# Altium PCB Urukul.PcbDoc (part 8 of 12) (continued)
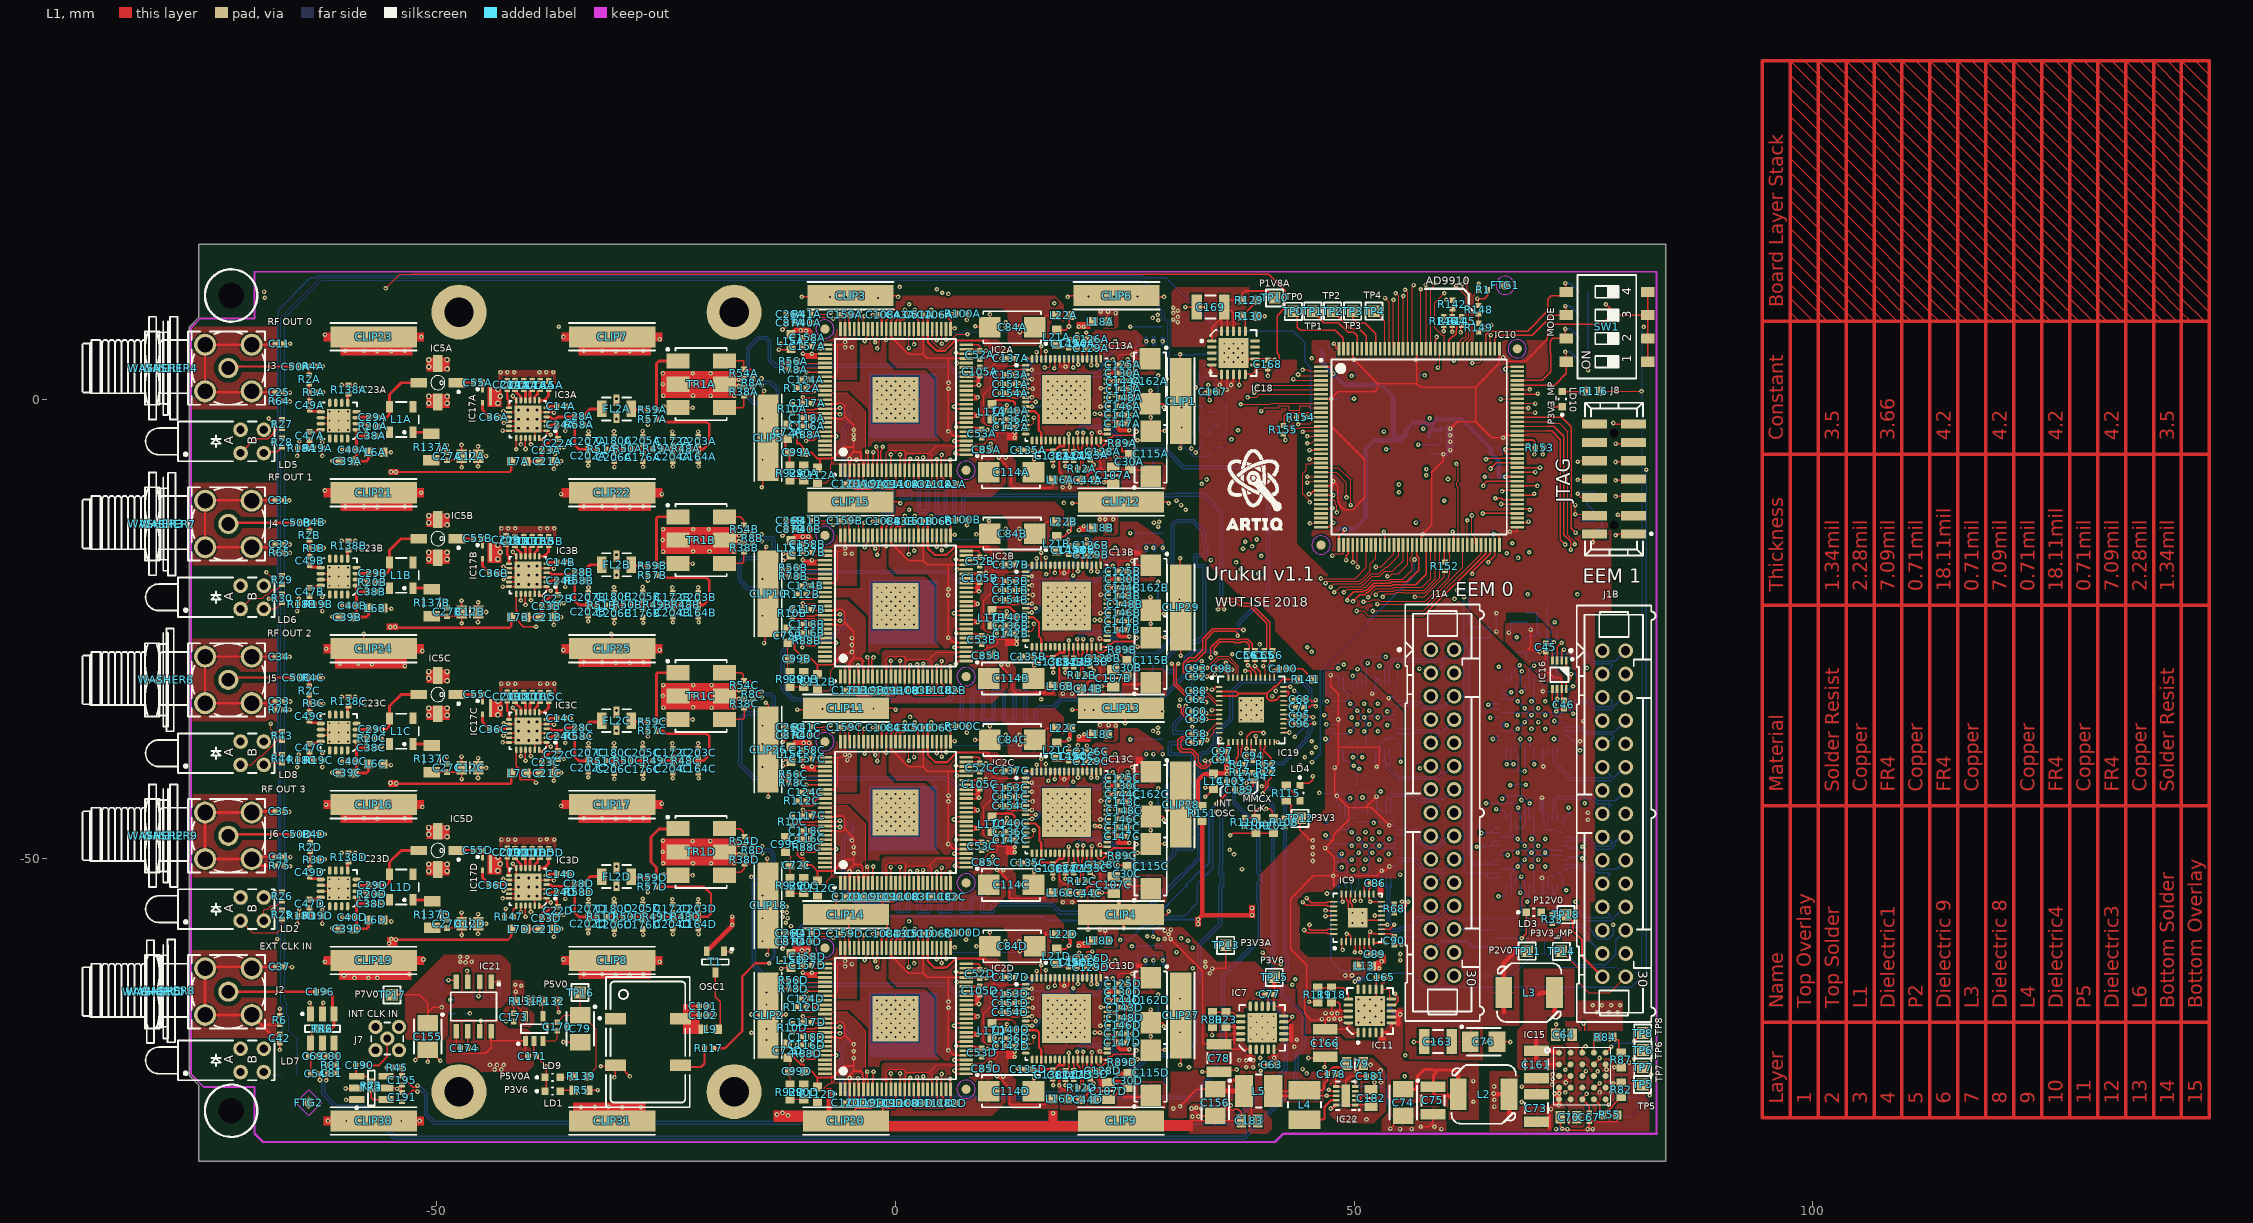
[diagram p0: L1 view]
## Nets (pads, with @x,y where several pads share a name; then routed paths per layer and width w, separated by ;. In a path a pad name is that pad's centre, name@x,y a point inside that pad or via, vN(x,y) a via of type N, cw(c..) or ccw(c..) an arc to the next point about the centre after c; other vN are vias at no path point) (continued)
  L6 w0.152: IC6B.22@67.6,-52.853 67.6,-52.19 67.638,-52.153 68.25,-52.153 68.6,-52.503 IC6B.20@68.6,-52.853 68.6,-53.534 68.618,-53.552 68.618,-54.035 68.25,-54.403 68.25,-55.804 69.596,-57.15 75.108,-57.15 76.077,-58.119 76.077,-58.268 76.665,-58.856 77.771,-58.856 78.257,-58.369 v3(78.257,-57.252) ; IC6B.39@67.6,-45.953 67.6,-46.615 67.638,-46.653 68.5,-46.653 68.5,-46.403 68.6,-46.303 IC6B.41@68.6,-45.953 68.6,-44.003 v1(68.25,-43.653) ; IC1B.22@67.6,-37.853 67.6,-38.41 67.868,-38.678 67.868,-40.284 68.124,-40.54 v1(68.6,-40.54) IC1B.20@68.6,-37.853 ; IC1B.39@67.6,-30.953 67.625,-30.977 67.625,-31.604 67.879,-31.858 v1(68.26,-31.858) 68.503,-31.615 68.6,-31.615 IC1B.41@68.6,-30.953
NetIC2A_60: IC2A.60 R100A.1 | length 12.7
  L1 w0.127: v1(1.456,5.63) 1.456,7.656 IC2A.60@1.5,7.7 ; v1(6.175,9.372) 6.825,9.372 R100A.1@6.85,9.397
  L3 w0.127: v1(1.456,5.63) 1.49,5.665 1.49,10.015 1.456,10.049 1.456,10.376 v1(1.487,10.406)
  L4 w0.127: v1(1.487,10.406) 5.141,10.406 v1(6.175,9.372)
NetIC2A_80: IC2A.80 R56A.1 | length 3
  L1 w0.127: R56A.1@-10.68,4.097 -10.583,4 IC2A.80@-7.7,4
NetIC2A_81: IC2A.81 R78A.1 | length 3.3
  L1 w0.127: R78A.1@-10.68,3.097 R78A.1@-10.68,3.247 -10.68,3.417 -10.597,3.5 IC2A.81@-7.7,3.5
NetIC2A_95: IC2A.95 R88A.2 | length 1.6
  L1 w0.203: R88A.2@-9.21,-3.803 -8.935,-3.528 -7.728,-3.528 IC2A.95@-7.7,-3.5
NetIC2B_9: IC2B.9
NetIC2B_10: IC2B.10
NetIC2B_55: IC2B.55
NetIC2B_60: IC2B.60 R100B.1 | length 12.8
  L1 w0.127: v1(1.456,-16.87) 1.456,-14.844 IC2B.60@1.5,-14.8 ; v1(6.175,-13.128) 6.825,-13.128 R100B.1@6.85,-13.103
  L3 w0.127: v1(1.456,-16.87) 1.49,-16.835 1.49,-12.485 1.456,-12.45 1.456,-12.024 v1(1.487,-11.994)
  L4 w0.127: v1(1.487,-11.994) 5.041,-11.994 v1(6.175,-13.128)
NetIC2B_80: IC2B.80 R56B.1 | length 3
  L1 w0.127: R56B.1@-10.68,-18.403 -10.583,-18.5 IC2B.80@-7.7,-18.5
NetIC2B_81: IC2B.81 R78B.1 | length 3.3
  L1 w0.127: R78B.1@-10.68,-19.403 R78B.1@-10.68,-19.253 -10.68,-19.083 -10.597,-19 IC2B.81@-7.7,-19
NetIC2B_95: IC2B.95 R88B.2 | length 1.6
  L1 w0.203: R88B.2@-9.21,-26.303 -8.935,-26.028 -7.728,-26.028 IC2B.95@-7.7,-26
NetIC2C_9: IC2C.9
NetIC2C_10: IC2C.10
NetIC2C_55: IC2C.55
NetIC2C_60: IC2C.60 R100C.1 | length 12.6
  L1 w0.127: v1(1.456,-39.37) 1.456,-37.344 IC2C.60@1.5,-37.3 ; v1(6.175,-35.628) 6.825,-35.628 R100C.1@6.85,-35.603
  L3 w0.127: v1(1.456,-39.37) 1.49,-39.335 1.49,-34.985 1.456,-34.95 1.456,-34.724 v1(1.587,-34.594)
  L4 w0.127: v1(1.587,-34.594) 5.141,-34.594 v1(6.175,-35.628)
NetIC2C_80: IC2C.80 R56C.1 | length 3
  L1 w0.127: R56C.1@-10.68,-40.903 -10.583,-41 IC2C.80@-7.7,-41
NetIC2C_81: IC2C.81 R78C.1 | length 3.3
  L1 w0.127: R78C.1@-10.68,-41.903 R78C.1@-10.68,-41.753 -10.68,-41.583 -10.597,-41.5 IC2C.81@-7.7,-41.5
NetIC2C_95: IC2C.95 R88C.2 | length 1.6
  L1 w0.203: R88C.2@-9.21,-48.803 -8.935,-48.528 -7.728,-48.528 IC2C.95@-7.7,-48.5
NetIC2D_9: IC2D.9
NetIC2D_10: IC2D.10
NetIC2D_55: IC2D.55
NetIC2D_60: IC2D.60 R100D.1 | length 13
  L1 w0.127: v1(1.456,-61.87) 1.456,-59.844 IC2D.60@1.5,-59.8 ; v1(6.175,-58.128) 6.825,-58.128 R100D.1@6.85,-58.103
  L3 w0.127: v1(1.456,-61.87) 1.49,-61.835 1.49,-57.485 1.456,-57.45 1.456,-56.924 v1(1.487,-56.894)
  L4 w0.127: v1(1.487,-56.894) 1.805,-57.212 2.268,-57.212 2.348,-57.292 3.628,-57.292 3.69,-57.23 5.277,-57.23 v1(6.175,-58.128)
NetIC2D_80: IC2D.80 R56D.1 | length 3
  L1 w0.127: R56D.1@-10.68,-63.403 -10.583,-63.5 IC2D.80@-7.7,-63.5
NetIC2D_81: IC2D.81 R78D.1 | length 3.3
  L1 w0.127: R78D.1@-10.68,-64.403 R78D.1@-10.68,-64.253 -10.68,-64.083 -10.597,-64 IC2D.81@-7.7,-64
NetIC2D_95: IC2D.95 R88D.2 | length 1.6
  L1 w0.203: R88D.2@-9.21,-71.303 -8.935,-71.028 -7.728,-71.028 IC2D.95@-7.7,-71
NetIC3A_19: IC3A.19 IC3B.24 | length 24.4
  L1 w0.152: v1(-41.35,-5.403) IC3A.19@-41.35,-4.178
  L1 w0.3: IC3B.24@-38.85,-21.178 -38.883,-21.211 -38.716,-21.378 v1(-38.35,-21.378)
  L3 w0.152: v1(-41.35,-5.403) -41.328,-5.381 -41.328,-4.68 -41.041,-4.393 -39.548,-4.393 -39.268,-4.673 -39.268,-15.997 -38.249,-17.017 -38.084,-17.017 -37.921,-17.18 -37.921,-17.344 -37.297,-17.968 -37.063,-17.968 -36.4,-18.631 -36.4,-20.127 -36.478,-20.205 -36.478,-20.458 -37.398,-21.378 v1(-38.35,-21.378)
NetIC3B_19: IC3B.19 IC3C.24 | length 22
  L1 w0.152: IC3B.19@-41.35,-21.178 -41.35,-22.98 -41.197,-23.133 -41.197,-24.128 -40.572,-24.753 v1(-39.2,-24.753)
  L1 w0.3: IC3C.24@-38.85,-38.178 -38.854,-38.182 -38.658,-38.378 v1(-38.35,-38.378)
  L3 w0.152: v1(-39.2,-24.753) -39.2,-32.703 -36.941,-34.962 -36.784,-34.962 -36.518,-35.227 -36.518,-37.521 -37.375,-38.378 v1(-38.35,-38.378)
NetIC3C_19: IC3C.19 IC3D.24 | length 21.4
  L1 w0.152: IC3C.19@-41.35,-38.178 -41.35,-39.98 -41.003,-40.327 -41.003,-41.322 -40.869,-41.456 -39.497,-41.456 v1(-39.2,-41.753)
  L1 w0.3: IC3D.24@-38.85,-55.178 -38.8,-55.128 -38.55,-55.378 v1(-38.35,-55.378)
  L3 w0.152: v1(-39.2,-41.753) -39.2,-49.121 -37.774,-50.548 -37.774,-52.644 -37.122,-53.295 -37.122,-55.026 -37.474,-55.378 v1(-38.35,-55.378)
NetIC3D_19: IC3D.19 R147.2 | length 1.2
  L1 w0.152: R147.2@-41.592,-56.236 -41.681,-56.147 -41.681,-55.626 -41.35,-55.295 IC3D.19@-41.35,-55.178
NetIC4_8: IC4.8 R31.1 R32.2 | length 3.8
  L6 w0.152: R31.1@67.6,-27.523 R32.2@68.7,-27.523 68.7,-28.153 69.069,-28.522 69.838,-28.522 69.919,-28.603 IC4.8@70.55,-28.603
NetIC7_16: IC7.16 R23.1 R80.2 | length 3.2
  L1 w0.152: R80.2@34.55,-66.803 R23.1@36.05,-66.803 36.75,-66.803 37.141,-67.194 IC7.16@37.637,-67.194
NetIC9_8: IC9.8 R152.2 | length 45.9
  L1 w0.127: v1(56.64,-21.5) 57.679,-21.5 59.85,-19.329 59.85,-18.7 R152.2@59.919,-18.631
  L1 w0.178: IC9.8@52.14,-59.1 52.281,-59.241 v1@53.22,-59.241
  L3 w0.178: v1(53.4,-59.277) 53.498,-59.375 53.607,-59.375 56.985,-55.996 56.985,-41.34 56.456,-40.81 56.456,-39.885 56.542,-39.799 56.542,-29.762 56.405,-29.626 56.405,-29.029 56.64,-28.795 v1(56.64,-21.5)
NetIC9_24: IC9.24 R153.2 | length 112.2
  L1 w0.152: IC9.24@48.64,-53.9 48.64,-54.64 v1(48.75,-54.75) ; v1(70.586,-5.969) 70.701,-5.854 R153.2@70.701,-5.258
  L4 w0.152: v1(70.586,-5.969) 75.26,-5.969 76.911,-7.62 v1(81.864,-7.62)
  L6 w0.152: v1(48.75,-54.75) 48.029,-54.75 47.473,-55.307 47.473,-61.189 48.565,-62.281 52.054,-62.281 52.41,-62.636 53.741,-62.636 53.813,-62.564 56.164,-62.564 57.658,-64.059 80.239,-64.059 81.89,-62.408 81.89,-7.645 v1(81.864,-7.62)
NetIC10_111: IC10.111 R148.1 R149.2 | length 5.1
  L1 w0.127: R148.1@63.576,9.334 63.602,9.309 R149.2@63.602,8.319 63.792,8.128 v1(64.973,8.128) ; IC10.111@64.85,5.547 64.85,6.963 v1(64.922,7.036)
  L4 w0.127: v1(64.922,7.036) 64.922,8.077 v1(64.973,8.128)
NetIC11_16: IC11.16 R118.1 R119.2 | length 4.3
  L1 w0.152: R119.2@46.05,-64.103 R118.1@47.55,-64.103 48.8,-64.103 49.387,-64.689 IC11.16@49.387,-65.361
NetIC12_1: IC12.1 R121.1 R124.2 | length 4.6
  L6 w0.127: IC12.1@33.144,-1.935 33.144,-3.365 33.133,-3.376 R124.2@33.564,-3.808 34.341,-3.808
  L6 w0.152: 34.341,-3.808 34.341,-3.099 34.682,-2.758 R121.1@35.23,-2.758
NetIC12_2: IC12.2 R122.1 R125.2 | length 5.8
  L6 w0.127: R125.2@32.314,-3.808 32.494,-3.628 IC12.2@32.494,-1.935 32.494,-0.757 32.601,-0.65 33.49,-0.65 34.1,-1.259 34.875,-1.259
NetIC12_3: IC12.3 LD7.3 R123.1 | length 196.4
  L6 w0.127: LD7.3@-68.88,-70.783 -66.71,-68.612 -66.71,-66.22 -67.043,-65.887 -67.043,-59.081 -66.971,-59.009 -66.971,-58.644 -67.043,-58.572 -67.043,-54.023 -66.971,-53.951 -66.971,-38.355 -67.043,-38.283 -67.043,8.977 -62.75,13.269 26.919,13.269 28.791,11.397 28.791,10.039 29.342,9.488 29.342,8.959 29.934,8.367 29.934,5.338 29.891,5.295 29.891,2.633 30.077,2.446 30.077,2.182 31.179,1.081 31.179,1.052 31.89,0.341 31.844,0.295 IC12.3@31.844,-1.935 31.814,-1.966 31.814,-3.266 31.712,-3.368 31.712,-3.749 ; R123.1@31.293,-4.155 31.306,-4.155 31.712,-3.749 ; 31.725,-3.736 31.712,-3.749
NetIC12_5: IC12.5 R126.2 | length 2.3
  L6 w0.127: R126.2@30.391,3.986 30.391,2.525 30.452,2.465 IC12.5@31.194,2.465
NetIC12_6: IC12.6 R127.2 | length 1.6
  L6 w0.127: R127.2@31.687,4.036 31.844,3.879 IC12.6@31.844,2.465
NetIC12_7: IC12.7 R128.2 | length 1.6
  L6 w0.127: IC12.7@32.494,2.465 32.494,3.879 R128.2@32.652,4.036
NetIC13A_32: IC13A.32 R93A.1 R94A.2 | length 7.3
  L1 w0.203: IC13A.32@22.39,-4.45 23.015,-4.45 23.311,-4.154 23.532,-4.154 23.808,-3.878 25.975,-3.878 26.282,-3.57 v1(26.282,-3.47)
  L6 w0.17: v1(26.282,-3.47) 26.957,-3.47 27.29,-3.138 R93A.1@27.29,-2.68 27.29,-2.503 R94A.2@28.45,-2.503
NetIC13B_32: IC13B.32 R93B.1 R94B.2 | length 7.3
  L1 w0.203: IC13B.32@22.39,-26.95 23.015,-26.95 23.311,-26.654 23.532,-26.654 23.808,-26.378 25.975,-26.378 26.282,-26.07 v1(26.282,-25.97)
  L6 w0.17: v1(26.282,-25.97) 26.957,-25.97 27.29,-25.638 R93B.1@27.29,-25.18 27.29,-25.003 R94B.2@28.45,-25.003
NetIC13C_32: IC13C.32 R93C.1 R94C.2 | length 7.3
  L1 w0.203: IC13C.32@22.39,-49.45 23.015,-49.45 23.311,-49.154 23.532,-49.154 23.808,-48.878 25.975,-48.878 26.282,-48.57 v1(26.282,-48.47)
  L6 w0.17: v1(26.282,-48.47) 26.957,-48.47 27.29,-48.138 R93C.1@27.29,-47.68 27.29,-47.503 R94C.2@28.45,-47.503
NetIC13D_32: IC13D.32 R93D.1 R94D.2 | length 7.3
  L1 w0.203: IC13D.32@22.39,-71.95 23.015,-71.95 23.311,-71.654 23.532,-71.654 23.808,-71.378 25.975,-71.378 26.282,-71.07 v1(26.282,-70.964)
  L6 w0.17: v1(26.282,-70.964) 26.951,-70.964 26.957,-70.97 27.29,-70.638 R93D.1@27.29,-70.18 27.29,-70.003 R94D.2@28.45,-70.003
NetIC15_A4: IC15.A4 R84.1 | length 1.9
  L1 w0.152: IC15.A4@76.16,-71.21 76.16,-69.93 R84.1@76.59,-69.5
NetIC15_A5: IC15.A5 TP8.1 | length 5
  L1 w0.152: IC15.A5@77.43,-71.21 78.029,-70.611 v1(78.028,-70.542) ; v1(80.574,-69.982) 81.483,-69.072 TP8.1@81.483,-69.063
  L6 w0.152: v1(78.028,-70.542) 78.418,-70.153 80.403,-70.153 v1(80.574,-69.982)
NetIC15_B2: IC15.B2 IC15.D2 R120.2 R123.2 | length 127.2
  L1 w0.127: v1(73.029,-75.542) 73.098,-75.542 IC15.D2@73.62,-75.02 ; v1(73.029,-73.071) IC15.B2@73.62,-72.48
  L3 w0.127: v1(36.64,-4.333) 36.538,-4.333 36.462,-4.257 36.157,-4.561 36.157,-17.515 36.716,-18.074 v1(36.716,-27.752) ; v1(37.63,-36.362) 37.681,-36.413 37.681,-37.645 37.555,-37.771 37.555,-42.101 37.681,-42.227 37.681,-50.658 37.19,-51.15 37.19,-54.997 37.681,-55.488 37.681,-58.892 37.63,-58.943 37.63,-59.597 38.271,-60.238 38.271,-70.285 v1(39.779,-71.792) ; v1(73.029,-75.542) 73.029,-75.04 73.166,-74.902 73.291,-74.902 73.549,-74.644 73.549,-74.28 73.291,-74.021 73.166,-74.021 73.029,-73.884 v1(73.029,-73.071)
  L4 w0.127: v1@36.437,-4.358 36.614,-4.358 v1(36.64,-4.333) ; v1(36.716,-27.752) 36.716,-27.853 37.072,-28.209 41.237,-28.209 43.94,-30.912 43.94,-34.802 43.498,-35.245 43.431,-35.245 42.999,-35.676 38.316,-35.676 v1(37.63,-36.362) ; v1(39.779,-71.792) 40.279,-72.292 51.392,-72.292 51.607,-72.077 51.993,-72.077 52.208,-72.292 72.279,-72.292 73.029,-73.042 v1(73.029,-73.071)
  L6 w0.127: R123.2@30.353,-4.155 30.742,-4.544 30.813,-4.544 31.12,-4.852 31.211,-4.852 31.469,-5.11 31.469,-5.144 32.52,-6.196 34.117,-6.196 35.116,-5.196 35.776,-5.196 35.847,-5.126 v1(36.64,-4.333)
NetIC15_C3: IC15.C3 TP5.1 | length 15
  L1 w0.127: IC15.C3@74.89,-73.75 75.348,-73.292 v1(75.279,-73.223) ; TP5.1@81.458,-74.676 82.245,-75.463 v1(82.245,-75.87)
  L6 w0.127: v1(75.279,-73.223) 75.279,-73.292 74.89,-73.681 74.89,-76.653 76.39,-78.153 80.267,-78.153 82.245,-76.175 v1(82.245,-75.87)
NetIC15_C4: IC15.C4 TP6.1 | length 7.6
  L1 w0.127: IC15.C4@76.16,-73.75 76.16,-73.682 76.578,-73.264 v1(76.578,-73.248) ; v1(80.574,-71.852) TP6.1@81.509,-70.917
  L6 w0.127: v1(76.578,-73.248) 76.578,-73.341 76.889,-73.653 79.814,-73.653 80.594,-72.873 80.594,-71.872 v1(80.574,-71.852)
NetIC15_E4: IC15.E4 R55.1 R82.1 | length 5
  L1 w0.152: IC15.E4@76.16,-76.29 76.779,-76.909 76.779,-77.689 R55.1@77.09,-78 77.09,-77.981 77.718,-77.353 77.837,-77.353 77.862,-77.328 77.966,-77.328 78.232,-77.063 78.232,-76.958 R82.1@79.14,-76.05
NetIC15_E5: IC15.E5 TP7.1 | length 9.2
  L1 w0.127: IC15.E5@77.43,-76.29 77.43,-76.465 77.809,-76.844 v1(77.779,-76.875) ; TP7.1@81.483,-72.796 82.317,-72.796 82.418,-72.898 v1(82.418,-73.584)
  L6 w0.127: v1(77.779,-76.875) 78.612,-76.042 80.854,-76.042 81.912,-74.984 81.912,-73.675 82.003,-73.584 v1(82.418,-73.584)
NetIC18_16: IC18.16 R129.1 R130.2 | length 4.2
  L1 w0.152: IC18.16@38.15,7.447 38.15,8.747 R130.2@37.8,9.097 37.8,9.147 39.4,10.747 R129.1@39.4,10.847
NetIC19_1: IC19.1 IC19.33 R155.2 | length 38.7
  L1 w0.152: v1(34.515,-31.619) 34.709,-31.619 35,-31.328 IC19.1@35.3,-31.328 ; R155.2@42.266,-3.747 42.52,-4.001 v1(42.52,-4.394) ; IC19.33@42.3,-31.328 43.036,-31.328 v1(43.056,-31.307)
  L3 w0.152: v1(42.52,-4.394) 42.293,-4.621 42.293,-30.544 v1(43.056,-31.307)
  L4 w0.152: v1(34.515,-31.619) 35.207,-30.927 42.611,-30.927 42.992,-31.307 v1(43.056,-31.307)
NetIC19_2: IC19.2 IC19.3 IC19.31 IC19.32 R141.2 | length 15.8
  L1 w0.2: IC19.3@35.3,-32.328 35.858,-32.328 ; IC19.2@35.3,-31.828 35.858,-31.828 ; IC19.31@42,-32.328 IC19.31@42.3,-32.328 42.858,-32.328 42.858,-31.858 42.828,-31.828 ; IC19.32@42.3,-31.828 42.828,-31.828 ; 42.858,-31.828 42.828,-31.828
  L1 w0.211: 35.858,-32.328 37.171,-32.328 37.436,-32.062 ; 35.858,-31.828 37.201,-31.828 37.436,-32.062 ; 40.433,-32.062 37.436,-32.062 ; IC19.31@42,-32.328 41.922,-32.328 41.5,-32.75 41.33,-32.75 41.269,-32.811 40.869,-32.811 40.807,-32.75 40.75,-32.75 40.5,-32.5 40.5,-32.062 41.275,-31.287 41.463,-31.287 41.5,-31.25 42.25,-30.5 R141.2@43.95,-30.5
NetIC19_16: IC19.16 R103.2 R108.1 | length 14.7
  L1 w0.152: v1(38.275,-38.069) 38.3,-38.044 IC19.16@38.3,-37.328 38.3,-36.769 38.864,-36.205 39.99,-36.205 v1(40.128,-36.343) ; v1(40.433,-44.623) 40.822,-44.623 41.1,-44.902 41.1,-45.553 R103.2@41.2,-45.653 42.388,-45.653 R108.1@42.415,-45.626
  L3 w0.152: v1(40.128,-36.343) 40.128,-41.042 40.506,-41.419 40.506,-43.148 40.433,-43.22 v1(40.433,-44.623)
NetIC19_18: IC19.18 R109.2 R110.1 | length 11.6
  L1 w0.152: R110.1@38.071,-45.6 R109.2@39.248,-45.6 ; R109.2@39.3,-45.653 R109.2@39.248,-45.6 ; IC19.18@39.3,-37.328 v1(39.3,-36.683) ; v1(39.773,-44.623) 39.478,-44.623 39.2,-44.902 39.2,-45.553 R109.2@39.248,-45.6
  L3 w0.152: v1(39.3,-36.683) 39.265,-36.648 39.265,-36.683 39.265,-44.192 39.697,-44.623 v1(39.773,-44.623)
NetIC19_23: IC19.23 R154.2 | length 36.7
  L1 w0.127: v1(42.89,-2.25) 42.89,-2.119 43.078,-1.93 R154.2@43.726,-1.93
  L1 w0.152: IC19.23@42.3,-36.328 42.335,-36.292 v1(42.948,-36.292)
  L3 w0.152: v1(42.89,-2.25) 42.917,-2.277 42.917,-3.934 42.912,-3.939 42.912,-4.146 42.973,-4.207 42.973,-4.582 42.912,-4.642 42.912,-10.416 42.922,-10.426 42.922,-11.074 42.912,-11.084 42.912,-29.516 43.227,-29.831 43.482,-30.086 43.482,-30.833 43.578,-30.928 43.578,-31.187 43.688,-31.297 43.953,-31.562 43.953,-31.938 43.688,-32.203 43.605,-32.286 43.605,-32.505 43.613,-32.513 43.613,-35.627 v1(42.948,-36.292)
NetIC20_4: IC20.4 R131.1 R132.2 | length 3
  L1 w0.127: R131.1@-39.82,-65.603 R132.2@-38.42,-65.603 -38.45,-65.633 IC20.4@-38.45,-67.231
NetIC21_2: IC21.2 R133.1 R135.2 | length 4.1
  L1 w0.152: v1(-45.471,-65.042) -45.365,-64.936 IC21.2@-45.365,-63.467
  L6 w0.152: R135.2@-46.2,-65.453 -46.2,-65.271 -45.971,-65.042 v1(-45.471,-65.042) -44.972,-65.042 -44.891,-64.961 R133.1@-44.3,-65.553
NetIC22_5: IC22.5 R134.1 R136.2 | length 5.9
  L1 w0.152: IC22.5@50.15,-74.903 v1(50.15,-74.353)
  L6 w0.152: v1(50.15,-74.353) 50.728,-74.931 53.078,-74.931 R136.2@53.6,-75.453 53.55,-75.503 R134.1@53.55,-76.903
NetIC22_9: IC22.9 L4.1 | length 6.4
  L1 w0.152: L4.1@44.6,-78.503 L4.1@45.561,-77.542
  L1 w0.254: L4.1@44.6,-78.503 46.645,-78.503 46.779,-78.369 46.779,-77.124 47.5,-76.403 IC22.9@48.05,-76.403
NetIC23A_5: IC23A.5 R138A.2 | length 1
  L1 w0.3: IC23A.5@-59.746,-0.342 -59.746,0.531 R138A.2@-59.65,0.627
NetIC23B_5: IC23B.5 R138B.2 | length 1
  L1 w0.3: IC23B.5@-59.746,-17.342 -59.746,-16.469 R138B.2@-59.65,-16.373
NetIC23C_5: IC23C.5 R138C.2 | length 1
  L1 w0.3: IC23C.5@-59.746,-34.342 -59.746,-33.469 R138C.2@-59.65,-33.373
NetIC23D_5: IC23D.5 R138D.2 | length 1
  L1 w0.3: IC23D.5@-59.746,-51.342 -59.746,-50.469 R138D.2@-59.65,-50.373
NetL1A_1: L1A.1 R137A.2 | length 1.8
  L1 w0.3: L1A.1@-52.63,-3.547 -51.056,-3.547 R137A.2@-50.9,-3.703
NetL1B_1: L1B.1 R137B.2 | length 1.8
  L1 w0.3: L1B.1@-52.63,-20.547 -51.056,-20.547 R137B.2@-50.9,-20.703
NetL1C_1: L1C.1 R137C.2 | length 1.8
  L1 w0.3: L1C.1@-52.63,-37.547 -51.056,-37.547 R137C.2@-50.9,-37.703
NetL1D_1: L1D.1 R137D.2 | length 1.8
  L1 w0.3: L1D.1@-52.63,-54.547 -51.056,-54.547 R137D.2@-50.9,-54.703
NetL9_2: L9.2 T1.3 | length 6.5
  L1 w0.152: T1.3@-19.634,-62.466 -19.634,-65.126 -19.126,-65.634 -19.126,-68.379 L9.2@-19.4,-68.653
NetLD1_2: LD1.2 R5.1 | length 1.4
  L1 w0.152: LD1.2@-36.495,-75.297 R5.1@-35.095,-75.297
NetLD2_2: LD2.2 R25.2 | length 6.3
  L1 w0.127: LD2.2@-71.42,-56.823 -70.09,-58.153 -67.4,-58.153 -66.9,-57.653 R25.2@-66.9,-56.623
NetLD2_4: LD2.4 R26.2 | length 3.6
  L1 w0.127: LD2.4@-68.88,-56.823 -68.88,-55.649 -68.796,-55.565 -68.435,-55.565 -68.082,-55.212 -67.49,-55.212 R26.2@-66.9,-54.623
NetLD3_2: LD3.2 R33.1 | length 1.3
  L1 w0.127: LD3.2@70.425,-55.903 70.705,-56.183 R33.1@71.6,-56.183
NetLD4_2: LD4.2 R115.1 | length 2.2
  L1 w0.152: R115.1@42.6,-42.103 43.35,-42.853 43.35,-42.903 44.1,-43.653 LD4.2@44.1,-43.728
NetLD5_2: LD5.2 R27.2 | length 5.7
  L1 w0.152: LD5.2@-71.42,-5.823 -69.883,-4.286 -68.465,-4.286 -67.877,-3.698 -67.877,-3.59 -67.41,-3.123 R27.2@-66.9,-3.123
NetLD5_4: LD5.4 R28.2 | length 2.2
  L1 w0.152: LD5.4@-68.9,-5.653 -68.88,-5.653 -67.4,-5.653 -66.9,-5.153 R28.2@-66.9,-5.123
NetLD6_2: LD6.2 R29.2 | length 5.6
  L1 w0.127: LD6.2@-71.42,-22.823 -70.25,-21.653 -69.049,-21.653 -68.67,-21.273 -68.47,-21.273 -67.849,-20.653 -67.43,-20.653 R29.2@-66.9,-20.123
NetLD6_4: LD6.4 R30.2 | length 2.3
  L1 w0.127: LD6.4@-68.88,-22.823 -67.57,-22.823 -66.9,-22.153 R30.2@-66.9,-22.123
NetLD7_4: LD7.4 R143.1 | length 2.2
  L6 w0.127: LD7.4@-68.88,-73.323 -68.579,-73.624 R143.1@-66.852,-73.624
NetLD8_2: LD8.2 R43.2 | length 5.7
  L1 w0.127: LD8.2@-71.42,-39.823 -70.281,-39.823 -69.29,-38.832 -69.029,-38.832 -67.889,-37.693 -67.889,-37.602 -67.41,-37.123 R43.2@-66.9,-37.123
NetLD8_4: LD8.4 R44.2 | length 2.1
  L1 w0.127: LD8.4@-68.88,-39.823 -68.68,-39.623 R44.2@-66.9,-39.623
NetLD9_2: LD9.2 R139.1 | length 1.5
  L1 w0.127: LD9.2@-36.575,-73.903 -35.2,-73.903 R139.1@-35.095,-73.797
NetLD10_2: LD10.2 R116.1 | length 2.6
  L1 w0.152: LD10.2@72.708,0.886 75.298,0.886 R116.1@75.337,0.925
NetOSC1_3: OSC1.3 R117.2 | length 4.5
  L1 w0.254: OSC1.3@-23.445,-72.593 -23.277,-72.76 -21.196,-72.76 -20.828,-72.392 R117.2@-20.828,-70.728
NetR59A_1: R59A.1 TR1A.1 | length 7.5
  L1 w0.3: R59A.1@-26.054,-1.11 -26.054,3.947 -25.777,4.224 TR1A.1@-23.73,4.224
NetR59B_1: R59B.1 TR1B.1 | length 7.6
  L1 w0.3: R59B.1@-26.054,-18.11 -26.054,-12.907 -25.923,-12.776 TR1B.1@-23.73,-12.776
NetR59C_1: R59C.1 TR1C.1 | length 7.6
  L1 w0.3: R59C.1@-26.054,-35.11 -26.054,-29.907 -25.923,-29.776 TR1C.1@-23.73,-29.776
NetR59D_1: R59D.1 TR1D.1 | length 8
  L1 w0.304: R59D.1@-26.054,-52.11 -26.054,-50.999 -26.65,-50.403 -26.65,-47.673 -25.784,-46.807 -24.4,-46.807 -24.369,-46.776 TR1D.1@-23.73,-46.776
NetR84_2: R84.2 R87.1 | length 2.3
  L1 w0.152: R84.2@78.19,-69.5 78.482,-69.792 78.89,-69.792 78.89,-70.95 R87.1@79.14,-71.2
NetR90A_1: R90A.1 R92A.2 | length 1.5
  L1 w0.127: R92A.2@-11.5,-8.55 R90A.1@-10,-8.55
NetR90B_1: R90B.1 R92B.2 | length 1.5
  L1 w0.127: R92B.2@-11.5,-31.3 -10.05,-31.3 -10.025,-31.275 R90B.1@-10,-31.25
NetR90C_1: R90C.1 R92C.2 | length 1.5
  L1 w0.127: R92C.2@-11.5,-53.8 R90C.1@-10,-53.8
NetR90D_1: R90D.1 R92D.2 | length 1.3
  L1 w0.127: R92D.2@-11.5,-76.3 -10.3,-76.3 R90D.1@-10.25,-76.25
NetR113A_2: R113A.2 R140A.1 | length 1.5
  L6 w0.203: R113A.2@28.05,-8.25 R140A.1@28.05,-6.75
NetR113B_2: R113B.2 R140B.1 | length 1.5
  L6 w0.203: R113B.2@28.05,-30.5 R140B.1@28.05,-29
NetR113C_2: R113C.2 R140C.1 | length 1.5
  L6 w0.152: R113C.2@27.55,-53.25 R140C.1@27.55,-51.75
NetR113D_2: R113D.2 R140D.1 | length 1.5
  L6 w0.152: R113D.2@29.3,-74.75 R140D.1@29.3,-73.25
P1V8_AVDDA: C135A.2 C136A.2 C138A.2 C140A.2 IC13A.11 IC13A.19 IC13A.23 IC13A.24 L17A.1 | length 17
  L1 w0.127: C136A.2@13.019,-2.134 C136A.2@13.019,-2.06 ; C140A.2@13.04,-1.203 C140A.2@13.04,-1.074 ; C135A.2@14.99,-5.653 15.89,-5.653
  L1 w0.254: L17A.1@10.69,-0.274 10.893,-0.071 12.334,-0.071 12.409,-0.146 12.822,-0.146 13.027,-0.35 13.027,-1.061 13.04,-1.074 13.104,-1.138 13.23,-1.265 14.19,-1.265 14.664,-1.265 14.673,-1.274 15.195,-1.274 15.618,-1.696 15.618,-3.322 15.89,-3.594 IC13A.19@15.89,-4.45 15.89,-5.512 ; C136A.2@13.002,-2.077 13.019,-2.06 13.04,-2.039 C140A.2@13.04,-1.203 ; C135A.2@14.95,-5.512 15.89,-5.512 ; IC13A.23@17.929,-4.541 17.929,-5.071 ; IC13A.24@18.39,-4.45 18.39,-5.087 18.31,-5.008 18.31,-4.998 18.237,-5.071 17.929,-5.071 ; 15.89,-5.512 17.02,-5.512 17.142,-5.633 17.15,-5.633 17.269,-5.633 17.831,-5.071 17.929,-5.071
P1V8_AVDDB: C135B.2 C136B.2 C138B.2 C140B.2 IC13B.11 IC13B.19 IC13B.23 IC13B.24 L17B.1 | length 18.1
  L1 w0.127: L17B.1@10.512,-22.995 10.906,-22.602 11.938,-22.602 ; C136B.2@13.019,-24.634 13.019,-23.723 C140B.2@13.04,-23.703 ; IC13B.23@17.89,-27.3 IC13B.23@17.89,-26.95
  L1 w0.254: L17B.1@10.906,-22.602 10.95,-22.646 11.894,-22.646 11.938,-22.602 11.941,-22.599 12.359,-22.599 12.406,-22.646 12.493,-22.646 13.04,-23.193 C140B.2@13.04,-23.703 ; C136B.2@13.019,-24.634 13.04,-24.613 C140B.2@13.04,-23.703 ; C135B.2@14.95,-28.012 15.89,-28.012 ; IC13B.23@17.89,-27.3 17.89,-27.587 ; IC13B.24@18.39,-26.95 18.39,-27.587 18.293,-27.587 18.259,-27.554 18.226,-27.587 17.89,-27.587 ; C140B.2@13.04,-23.703 14.19,-23.703 14.635,-23.703 14.647,-23.714 15.037,-23.714 15.274,-23.952 15.293,-23.952 15.65,-24.309 15.65,-25.828 15.89,-26.068 IC13B.19@15.89,-26.95 15.89,-28.012 ; 15.89,-28.012 17.009,-28.012 C138B.2@17.15,-28.153 17.495,-27.808 17.67,-27.808 17.89,-27.587
P1V8_AVDDC: C135C.2 C136C.2 C138C.2 C140C.2 IC13C.11 IC13C.19 IC13C.23 IC13C.24 L17C.1 | length 20.3
  L1 w0.127: L17C.1@10.512,-45.495 10.906,-45.102 11.938,-45.102 12.362,-45.102 12.384,-45.102 12.415,-45.132 12.752,-45.132 13.04,-45.42 C140C.2@13.04,-46.185 ; C135C.2@14.99,-50.653 15.89,-50.653
  L1 w0.254: L17C.1@10.843,-45.181 10.878,-45.146 11.894,-45.146 11.938,-45.102 11.941,-45.099 12.359,-45.099 12.362,-45.102 12.406,-45.146 12.737,-45.146 12.976,-45.384 12.976,-46.139 C140C.2@13.027,-46.19 ; C136C.2@13.002,-47.213 13.027,-47.188 13.027,-47.134 13.027,-46.203 C140C.2@13.027,-46.19 ; C140C.2@13.04,-46.203 C140C.2@13.027,-46.19 ; C135C.2@14.95,-50.512 15.89,-50.512 ; 17.853,-50.033 17.853,-50.05 17.884,-50.082 ; IC13C.23@17.89,-49.45 17.89,-50.082 ; IC13C.24@18.437,-49.474 18.426,-49.485 18.361,-49.55 18.361,-49.931 18.21,-50.082 17.89,-50.082 ; C140C.2@13.027,-46.19 13.027,-46.172 13.04,-46.185 13.049,-46.194 13.078,-46.223 14.19,-46.223 15.237,-46.223 15.694,-46.68 15.694,-48.102 15.89,-48.298 IC13C.19@15.89,-49.45 15.89,-50.512 ; 15.89,-50.512 17.113,-50.512 17.116,-50.515 17.15,-50.515 17.396,-50.515 17.829,-50.082 17.884,-50.082 ; 17.884,-50.082 17.89,-50.082
P1V8_AVDDD: C135D.2 C136D.2 C138D.2 C140D.2 IC13D.11 IC13D.19 IC13D.23 IC13D.24 L17D.1 | length 17
  L1 w0.127: L17D.1@10.512,-67.995 L17D.1@10.906,-67.602 ; 12.365,-67.602 12.384,-67.602 12.415,-67.632 12.752,-67.632 13.04,-67.92 C140D.2@13.04,-68.703 ; C140D.2@13.078,-68.74 C140D.2@13.087,-68.75 ; IC13D.11@14.19,-68.75 IC13D.11@14.373,-68.75 ; C135D.2@14.99,-73.153 15.89,-73.153 ; 15.89,-73.012 15.89,-72.925
  L1 w0.254: L17D.1@10.906,-67.602 10.923,-67.584 12.348,-67.584 12.365,-67.602 ; C136D.2@13.078,-69.591 C140D.2@13.078,-68.74 ; C140D.2@13.129,-68.676 13.202,-68.75 IC13D.11@14.19,-68.75 ; IC13D.11@14.373,-68.778 15.415,-68.778 15.643,-69.006 15.643,-70.632 15.89,-70.879 IC13D.19@15.89,-71.95 15.89,-72.925 ; C135D.2@14.95,-73.012 15.89,-73.012 17.15,-73.012 17.327,-73.012 17.752,-72.587 17.89,-72.587 IC13D.23@17.89,-71.95 ; 17.89,-72.588 18.336,-72.588 18.386,-72.537 18.386,-71.954 IC13D.24@18.39,-71.95
P1V8_CLK_VDDA: C30A.1 C44A.1 C72A.1 C99A.1 C107A.1 C112A.1 C115A.1 C116A.2 C117A.2 C118A.2 C119A.2 C120A.2 C127A.2 C128A.2 C133A.2 C134A.2 IC2A.3 IC2A.6 IC2A.89 IC2A.92 IC13A.25 IC13A.26 IC13A.29 IC13A.30 L16A.1 | length 58.5
  L1 w0.203: C72A.1@-11.75,-2.7 -11.725,-2.725 -10.75,-3.7 -10.75,-4.75 -10.729,-4.771 -10.48,-4.771 -10.125,-5.127 C99A.1@-10.125,-5.5 ; C99A.1@-9.95,-5.75 -9.2,-5.75 -8.555,-6.395 -8.555,-6.404 ; C116A.2@-9.23,-2.903 C118A.2@-9.23,-2.003 -9.227,-2 IC2A.92@-7.7,-2 -6.362,-2 -6.259,-2.104 -5.841,-2.104 -5.546,-1.809 ; C117A.2@-9.2,-0.378 -9.078,-0.5 IC2A.89@-7.7,-0.5 -6.362,-0.5 -6.259,-0.396 -5.841,-0.396 -5.546,-0.691 -5.546,-1.809 ; -8.704,-6.255 -8.555,-6.404 ; C112A.1@-8.25,-7.45 -8.25,-6.404 ; C120A.2@-5.225,-9.225 -5.225,-9.178 -5.225,-8.899 -5,-8.674 IC2A.3@-5,-7.7 v1(-5,-6.453) -5,-6.153 -4.55,-5.703 ; C119A.2@-3.35,-9.225 -3.486,-9.089 -3.525,-9.05 -3.525,-7.725 IC2A.6@-3.5,-7.7 -3.5,-6.69 -3.496,-6.686 -3.75,-6.433 -3.75,-5.703 -4.55,-5.703 ; v1(18.89,-3.738) IC13A.25@18.89,-4.45 18.89,-5.353 C134A.2@18.54,-5.703 ; IC13A.26@19.39,-4.45 19.39,-4.8 19.44,-4.85 C127A.2@19.44,-5.703 C134A.2@18.54,-5.703 ; IC13A.29@20.89,-4.8 IC13A.29@20.89,-4.45 20.9,-4.46 20.9,-5.075 ; 20.9,-5.083 20.9,-5.075 ; v1(21.409,-3.683) 21.39,-3.702 IC13A.30@21.39,-4.45 C133A.2@21.39,-5.628 ; C115A.1@27.82,-8.353 27.62,-8.553 26.77,-7.703 25.5,-7.703 23.75,-7.703 22.675,-7.703 22.375,-7.403 ; -8.555,-6.404 -8.25,-6.404 ; -8.25,-6.404 -6.826,-6.404 -5.575,-5.153 -4.55,-5.153 ; -5.546,-1.809 -4.55,-2.805 v1(-4.55,-3.271) -4.55,-3.802 v1(-4.55,-4.313) -4.55,-5.152 ; -4.55,-5.703 -4.55,-5.153 ; C134A.2@18.54,-5.703 17.975,-5.703 17.85,-5.828 17.85,-7.828 L16A.1@18.775,-8.753 20.23,-8.753 20.325,-8.753 21.011,-8.066 21.18,-8.066 21.314,-7.932 21.314,-7.764 21.496,-7.581 22.196,-7.581 22.375,-7.403 ; 20.9,-5.075 20.862,-5.112 21.25,-5.5 C133A.2@21.25,-5.628 C133A.2@21.39,-5.628 ; C133A.2@21.39,-5.628 22.175,-5.628 22.212,-5.665 22.275,-5.728 22.275,-6.703 22.375,-6.803 22.375,-7.403
  L4 w0.203: v1@18.848,-3.78 v1(18.89,-3.738)
  other v1: 18.25,-9.553 19,-9.553 -4.25,-6.553 -4.55,-3.803